# KiCad board skoosk pcb rgb.kicad_pcb
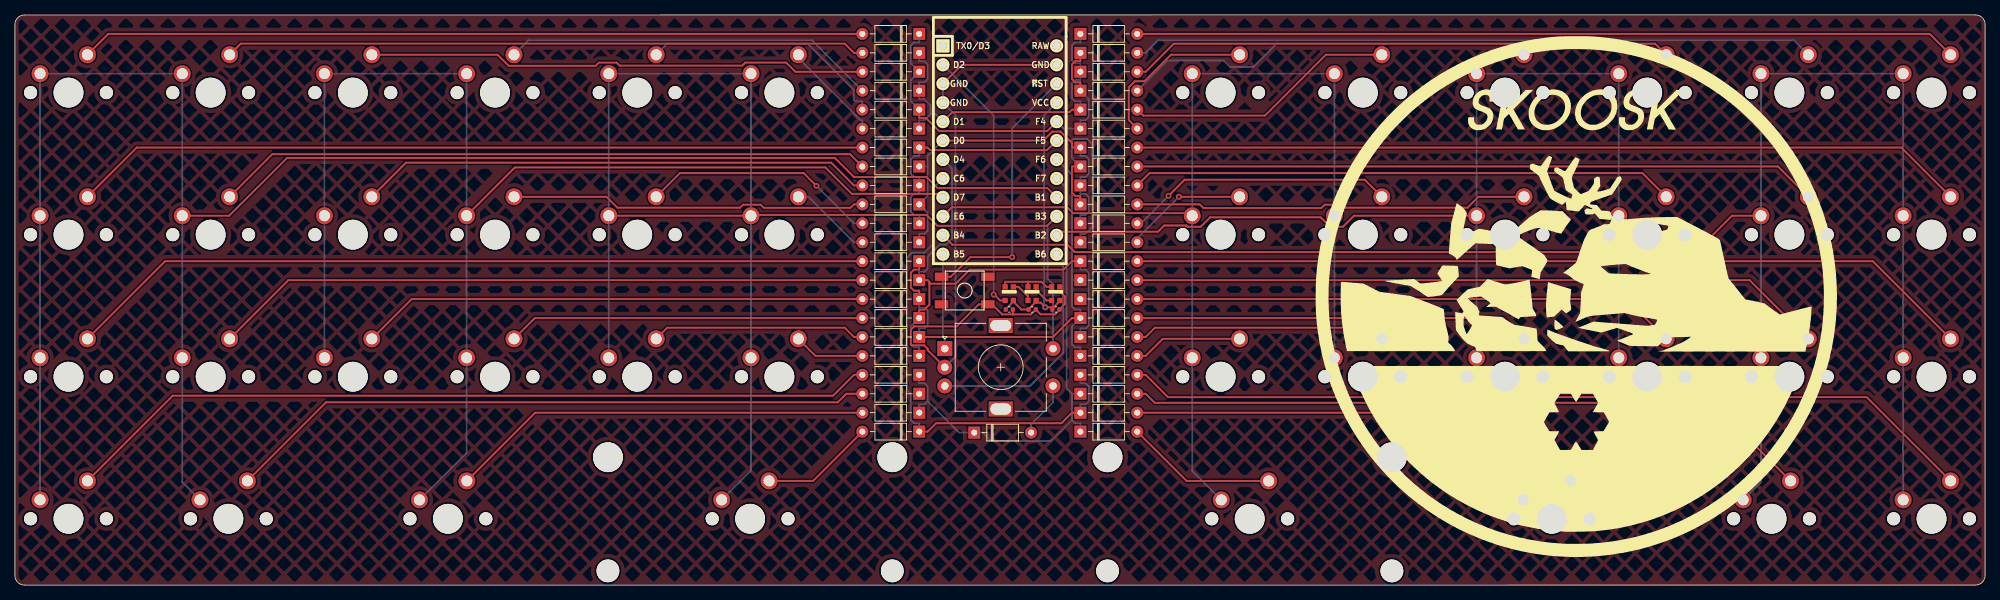
[diagram p0: board, top side]
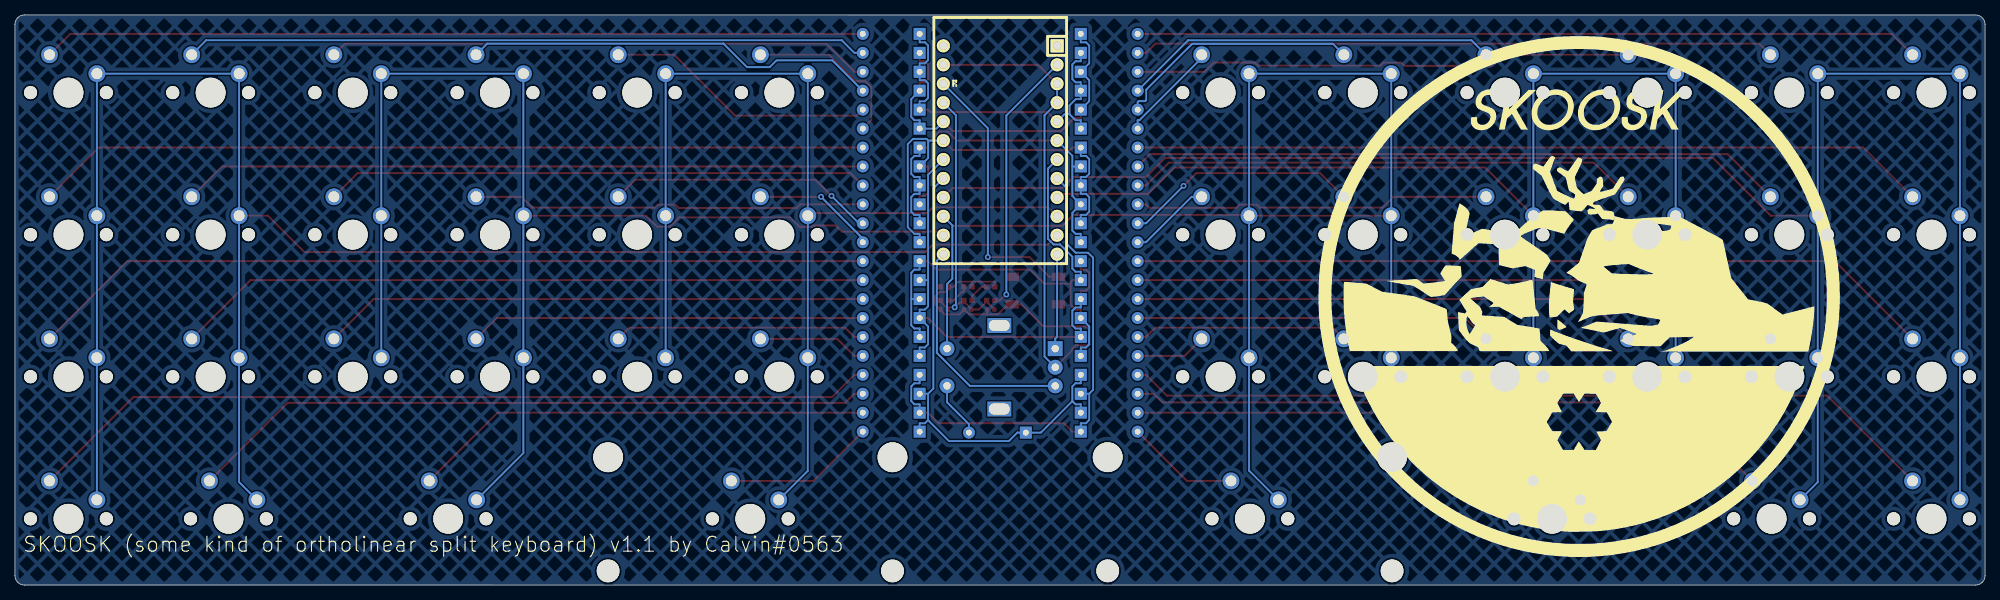
[diagram p1: board, bottom side, seen from below]

Outline 263.96 x 76.46 mm; copper layers: Top, Bottom. Coordinates in mm from the lower left corner of the outline.
Outline path: 0,75.19 0,1.27 arc(0.37,0.37) 1.27,0 262.69,0 arc(263.59,0.37) 263.96,1.27 263.96,75.19 arc(263.59,76.09) 262.69,76.46 1.27,76.46 arc(0.37,76.08) 0,75.19
Stack: Top 0.035mm / dielectric 1.51mm FR4 er 4.5 / Bottom 0.035mm

## Placement (name value [footprint] x y rotation side)
Crgb1  1uF  [C_0402_1005Metric]  133.22 36.96 0 top
Crgb2  1uF  [C_0402_1005Metric]  136.3 36.96 0 top
Crgb3  1uF  [C_0402_1005Metric]  139.47 36.96 0 top
D1  D_Small  [D_DO-35_SOD27_P7.62mm_Horizontal]  121.16 73.92 180 top
D2  D_Small  [D_DO-35_SOD27_P7.62mm_Horizontal]  121.16 71.38 180 top
D3  D_Small  [D_DO-35_SOD27_P7.62mm_Horizontal]  121.16 68.84 180 top
D4  D_Small  [D_DO-35_SOD27_P7.62mm_Horizontal]  121.16 66.3 180 top
D5  D_Small  [D_DO-35_SOD27_P7.62mm_Horizontal]  121.16 63.76 180 top
D6  D_Small  [D_DO-35_SOD27_P7.62mm_Horizontal]  121.16 61.22 180 top
D7  D_Small  [D_DO-35_SOD27_P7.62mm_Horizontal]  142.75 61.22 0 top
D8  D_Small  [D_DO-35_SOD27_P7.62mm_Horizontal]  142.75 63.76 0 top
D9  D_Small  [D_DO-35_SOD27_P7.62mm_Horizontal]  142.75 66.3 0 top
D10  D_Small  [D_DO-35_SOD27_P7.62mm_Horizontal]  142.75 68.84 0 top
D11  D_Small  [D_DO-35_SOD27_P7.62mm_Horizontal]  142.75 71.38 0 top
D12  D_Small  [D_DO-35_SOD27_P7.62mm_Horizontal]  142.75 73.92 0 top
D13  D_Small  [D_DO-35_SOD27_P7.62mm_Horizontal]  121.16 58.68 180 top
D14  D_Small  [D_DO-35_SOD27_P7.62mm_Horizontal]  121.16 56.14 180 top
D15  D_Small  [D_DO-35_SOD27_P7.62mm_Horizontal]  121.16 53.6 180 top
D16  D_Small  [D_DO-35_SOD27_P7.62mm_Horizontal]  121.16 51.06 180 top
D17  D_Small  [D_DO-35_SOD27_P7.62mm_Horizontal]  121.16 48.52 180 top
D18  D_Small  [D_DO-35_SOD27_P7.62mm_Horizontal]  121.16 45.98 180 top
D19  D_Small  [D_DO-35_SOD27_P7.62mm_Horizontal]  142.75 45.98 0 top
D20  D_Small  [D_DO-35_SOD27_P7.62mm_Horizontal]  142.75 48.52 0 top
D21  D_Small  [D_DO-35_SOD27_P7.62mm_Horizontal]  142.75 51.06 0 top
D22  D_Small  [D_DO-35_SOD27_P7.62mm_Horizontal]  142.75 53.6 0 top
D23  D_Small  [D_DO-35_SOD27_P7.62mm_Horizontal]  142.75 56.14 0 top
D24  D_Small  [D_DO-35_SOD27_P7.62mm_Horizontal]  142.75 58.68 0 top
D25  D_Small  [D_DO-35_SOD27_P7.62mm_Horizontal]  121.16 43.44 180 top
D26  D_Small  [D_DO-35_SOD27_P7.62mm_Horizontal]  121.16 40.9 180 top
D27  D_Small  [D_DO-35_SOD27_P7.62mm_Horizontal]  121.16 38.36 180 top
D28  D_Small  [D_DO-35_SOD27_P7.62mm_Horizontal]  121.16 35.82 180 top
D29  D_Small  [D_DO-35_SOD27_P7.62mm_Horizontal]  121.16 33.28 180 top
D30  D_Small  [D_DO-35_SOD27_P7.62mm_Horizontal]  121.16 30.74 180 top
D31  D_Small  [D_DO-35_SOD27_P7.62mm_Horizontal]  142.75 30.74 0 top
D32  D_Small  [D_DO-35_SOD27_P7.62mm_Horizontal]  142.75 33.28 0 top
D33  D_Small  [D_DO-35_SOD27_P7.62mm_Horizontal]  142.75 35.82 0 top
D34  D_Small  [D_DO-35_SOD27_P7.62mm_Horizontal]  142.75 38.36 0 top
D35  D_Small  [D_DO-35_SOD27_P7.62mm_Horizontal]  142.75 40.9 0 top
D36  D_Small  [D_DO-35_SOD27_P7.62mm_Horizontal]  142.75 43.44 0 top
D37  D_Small  [D_DO-35_SOD27_P7.62mm_Horizontal]  121.16 28.2 180 top
D38  D_Small  [D_DO-35_SOD27_P7.62mm_Horizontal]  121.16 25.66 180 top
D39  D_Small  [D_DO-35_SOD27_P7.62mm_Horizontal]  121.16 23.12 180 top
D40  D_Small  [D_DO-35_SOD27_P7.62mm_Horizontal]  121.16 20.58 180 top
D41  D_Small  [D_DO-35_SOD27_P7.62mm_Horizontal]  142.75 20.58 0 top
D42  D_Small  [D_DO-35_SOD27_P7.62mm_Horizontal]  142.75 23.12 0 top
D43  D_Small  [D_DO-35_SOD27_P7.62mm_Horizontal]  142.75 25.66 0 top
D44  D_Small  [D_DO-35_SOD27_P7.62mm_Horizontal]  142.75 28.2 0 top
D51  D_Small  [D_DO-35_SOD27_P7.62mm_Horizontal]  128.52 20.45 0 top
Drgb1  -  [WS2812-2020]  133.22 39.09 90 top
Drgb2  -  [WS2812-2020]  136.27 39.09 90 top
Drgb3  -  [WS2812-2020]  139.45 39.09 90 top
Gback  -  [LOGO]  54.31 38.62 180 bottom
Gfront  -  [LOGO]  209.27 38.62 0 top
MX1  MX-NoLED  [MXOnly-1U-NoLED]  7.18 66.04 0 top
MX2  MX-NoLED  [MXOnly-1U-NoLED]  26.23 66.04 0 top
MX3  MX-NoLED  [MXOnly-1U-NoLED]  45.28 66.04 0 top
MX4  MX-NoLED  [MXOnly-1U-NoLED]  64.33 66.04 0 top
MX5  MX-NoLED  [MXOnly-1U-NoLED]  83.38 66.04 0 top
MX6  MX-NoLED  [MXOnly-1U-NoLED]  102.43 66.04 0 top
MX7  MX-NoLED  [MXOnly-1U-NoLED]  161.54 66.04 0 top
MX8  MX-NoLED  [MXOnly-1U-NoLED]  180.59 66.04 0 top
MX9  MX-NoLED  [MXOnly-1U-NoLED]  199.64 66.04 0 top
MX10  MX-NoLED  [MXOnly-1U-NoLED]  218.69 66.04 0 top
MX11  MX-NoLED  [MXOnly-1U-NoLED]  237.74 66.04 0 top
MX12  MX-NoLED  [MXOnly-1U-NoLED]  256.79 66.04 0 top
MX13  MX-NoLED  [MXOnly-1U-NoLED]  7.18 46.99 0 top
MX14  MX-NoLED  [MXOnly-1U-NoLED]  26.23 46.99 0 top
MX15  MX-NoLED  [MXOnly-1U-NoLED]  45.28 46.99 0 top
MX16  MX-NoLED  [MXOnly-1U-NoLED]  64.33 46.99 0 top
MX17  MX-NoLED  [MXOnly-1U-NoLED]  83.38 46.99 0 top
MX18  MX-NoLED  [MXOnly-1U-NoLED]  102.43 46.99 0 top
MX19  MX-NoLED  [MXOnly-1U-NoLED]  161.54 46.99 0 top
MX20  MX-NoLED  [MXOnly-1U-NoLED]  180.59 46.99 0 top
MX21  MX-NoLED  [MXOnly-1U-NoLED]  199.64 46.99 0 top
MX22  MX-NoLED  [MXOnly-1U-NoLED]  218.69 46.99 0 top
MX23  MX-NoLED  [MXOnly-1U-NoLED]  237.74 46.99 0 top
MX24  MX-NoLED  [MXOnly-1U-NoLED]  256.79 46.99 0 top
MX25  MX-NoLED  [MXOnly-1U-NoLED]  7.18 27.94 0 top
MX26  MX-NoLED  [MXOnly-1U-NoLED]  26.23 27.94 0 top
MX27  MX-NoLED  [MXOnly-1U-NoLED]  45.28 27.94 0 top
MX28  MX-NoLED  [MXOnly-1U-NoLED]  64.33 27.94 0 top
MX29  MX-NoLED  [MXOnly-1U-NoLED]  83.38 27.94 0 top
MX30  MX-NoLED  [MXOnly-1U-NoLED]  102.43 27.94 0 top
MX31  MX-NoLED  [MXOnly-1U-NoLED]  161.54 27.94 0 top
MX32  MX-NoLED  [MXOnly-1U-NoLED]  180.59 27.94 0 top
MX33  MX-NoLED  [MXOnly-1U-NoLED]  199.64 27.94 0 top
MX34  MX-NoLED  [MXOnly-1U-NoLED]  218.69 27.94 0 top
MX35  MX-NoLED  [MXOnly-1U-NoLED]  237.74 27.94 0 top
MX36  MX-NoLED  [MXOnly-1U-NoLED]  256.79 27.94 0 top
MX37  MX-NoLED  [MXOnly-1U-NoLED]  7.18 8.89 0 top
MX38  MX-NoLED  [MXOnly-1.25U-NoLED]  28.6 8.89 0 top
MX39  MX-NoLED  [MXOnly-1.25U-NoLED]  58.01 8.89 0 top
MX40  MX-NoLED  [MXOnly-3U-ReversedStabilizers-NoLED]  98.5 8.89 0 top
MX41  MX-NoLED  [MXOnly-3U-ReversedStabilizers-NoLED]  165.44 8.89 0 top
MX42  MX-NoLED  [MXOnly-1.25U-NoLED]  205.92 8.89 0 top
MX43  MX-NoLED  [MXOnly-1.25U-NoLED]  235.36 8.89 0 top
MX44  MX-NoLED  [MXOnly-1U-NoLED]  256.79 8.89 0 top
SW1  SW_Push  [SKQG-1155865]  127.25 39.5 0 top
SW2  RotaryEncoder_Switch  [RotaryEncoder_Alps_EC11E-Switch_Vertical_H20mm]  132.08 29.21 0 top
U1  ProMicro  [ArduinoProMicro]  131.95 58.34 270 top

## Library data of the parts
D1-D44 D51 = -: Field4: K

## Footprints (pads in the part's own frame, mm; a bottom-side part is the same pattern mirrored in y, then rotated)
ArduinoProMicro
  rect 1.753x1.753 hole 1.092: 1(-13.97,-7.62)
  round 1.753 hole 1.092: 2(-11.43,-7.62) 3(-8.89,-7.62) 4(-6.35,-7.62) 5(-3.81,-7.62) 6(-1.27,-7.62) 7(1.27,-7.62) 8(3.81,-7.62) 9(6.35,-7.62) 10(8.89,-7.62) 11(11.43,-7.62) 12(13.97,-7.62) 13(13.97,7.62) 14(11.43,7.62) 15(8.89,7.62) 16(6.35,7.62) 17(3.81,7.62) 18(1.27,7.62) 19(-1.27,7.62) 20(-3.81,7.62) 21(-6.35,7.62) 22(-8.89,7.62) 23(-11.43,7.62) 24(-13.97,7.62)
C_0402_1005Metric
  rrect 0.56x0.62 smd: 1(-0.48,0) 2(0.48,0)
D_DO-35_SOD27_P7.62mm_Horizontal
  rect 1.6x1.6 hole 0.8: 1(0,0)
  oval 1.6x1.6 hole 0.8: 2(7.62,0)
MXOnly-1.25U-NoLED
  round 1.75 hole 1.75 unplated: (-5.08,0) (5.08,0)
  round 3.988 hole 3.988 unplated: (0,0)
  round 2.25 hole 1.47: 1(-3.81,2.54) 2(2.54,5.08)
MXOnly-1U-NoLED
  round 1.75 hole 1.75 unplated: (-5.08,0) (5.08,0)
  round 3.988 hole 3.988 unplated: (0,0)
  round 2.25 hole 1.47: 1(-3.81,2.54) 2(2.54,5.08)
MXOnly-3U-ReversedStabilizers-NoLED
  round 3.988 hole 3.988 unplated: (-19.05,8.255) (0,0) (19.05,8.255)
  round 3.048 hole 3.048 unplated: (-19.05,-6.985) (19.05,-6.985)
  round 1.75 hole 1.75 unplated: (-5.08,0) (5.08,0)
  round 2.25 hole 1.47: 1(-3.81,2.54) 2(2.54,5.08)
RotaryEncoder_Alps_EC11E-Switch_Vertical_H20mm
  rect 2x2 hole 1: A(-7.5,2.5)
  round 2 hole 1: B(-7.5,-2.5) C(-7.5,0) S1(7,-2.5) S2(7,2.5)
  rect 3.2x2 hole 2.8x1.5: MP(0,5.6) MP(0,-5.6)
SKQG-1155865
  rect 1.8x1.1 smd: 1(3.1,-1.85) 2(-3.1,1.85) 3(3.1,1.85) 4(-3.1,-1.85)
WS2812-2020
  rect 0.7x0.7 smd: 1(0.915,-0.55) 2(0.915,0.55) 3(-0.915,0.55) 4(-0.915,-0.55)

## Nets
GND: Crgb1.2 Crgb2.2 Crgb3.2 Drgb1.2 Drgb2.2 Drgb3.2 SW1.1 SW2.C U1.3 U1.4 U1.23
VCC: Crgb1.1 Crgb2.1 Crgb3.1 Drgb1.4 Drgb2.4 Drgb3.4 U1.21
COL0: MX1.1 MX2.1 MX13.1 MX14.1 MX25.1 MX26.1 MX37.1 MX38.1 U1.16
COL1: MX3.1 MX4.1 MX15.1 MX16.1 MX27.1 MX28.1 MX39.1 U1.9
COL2: MX5.1 MX6.1 MX17.1 MX18.1 MX29.1 MX30.1 MX40.1 SW2.S2 U1.15
COL3: MX7.1 MX8.1 MX19.1 MX20.1 MX31.1 MX32.1 MX41.1 U1.10
COL4: MX9.1 MX10.1 MX21.1 MX22.1 MX33.1 MX34.1 MX42.1 U1.14
COL5: MX11.1 MX12.1 MX23.1 MX24.1 MX35.1 MX36.1 MX43.1 MX44.1 U1.11
rgb pin: Drgb1.3 U1.2
rotary_a: SW2.A U1.12
rotary_b: SW2.B U1.13
ROW0: D1.1 D3.1 D5.1 D7.1 D9.1 D11.1 U1.20
ROW1: D2.1 D4.1 D6.1 D8.1 D10.1 D12.1 U1.5
ROW2: D13.1 D15.1 D17.1 D19.1 D21.1 D23.1 U1.19
ROW3: D14.1 D16.1 D18.1 D20.1 D22.1 D24.1 U1.6
ROW4: D25.1 D27.1 D29.1 D31.1 D33.1 D35.1 U1.18
ROW5: D26.1 D28.1 D30.1 D32.1 D34.1 D36.1 U1.7
ROW6: D37.1 D39.1 D41.1 D43.1 D51.1 U1.17
ROW7: D38.1 D40.1 D42.1 D44.1 U1.8
Net-(D1-Pad2): D1.2 MX1.2
Net-(D2-Pad2): D2.2 MX2.2
Net-(D3-Pad2): D3.2 MX3.2
Net-(D4-Pad2): D4.2 MX4.2
Net-(D5-Pad2): D5.2 MX5.2
Net-(D6-Pad2): D6.2 MX6.2
Net-(D7-Pad2): D7.2 MX7.2
Net-(D8-Pad2): D8.2 MX8.2
Net-(D9-Pad2): D9.2 MX9.2
Net-(D10-Pad2): D10.2 MX10.2
Net-(D11-Pad2): D11.2 MX11.2
Net-(D12-Pad2): D12.2 MX12.2
Net-(D13-Pad2): D13.2 MX13.2
Net-(D14-Pad2): D14.2 MX14.2
Net-(D15-Pad2): D15.2 MX15.2
Net-(D16-Pad2): D16.2 MX16.2
Net-(D17-Pad2): D17.2 MX17.2
Net-(D18-Pad2): D18.2 MX18.2
Net-(D19-Pad2): D19.2 MX19.2
Net-(D20-Pad2): D20.2 MX20.2
Net-(D21-Pad2): D21.2 MX21.2
Net-(D22-Pad2): D22.2 MX22.2
Net-(D23-Pad2): D23.2 MX23.2
Net-(D24-Pad2): D24.2 MX24.2
Net-(D25-Pad2): D25.2 MX25.2
Net-(D26-Pad2): D26.2 MX26.2
Net-(D27-Pad2): D27.2 MX27.2
Net-(D28-Pad2): D28.2 MX28.2
Net-(D29-Pad2): D29.2 MX29.2
Net-(D30-Pad2): D30.2 MX30.2
Net-(D31-Pad2): D31.2 MX31.2
Net-(D32-Pad2): D32.2 MX32.2
Net-(D33-Pad2): D33.2 MX33.2
Net-(D34-Pad2): D34.2 MX34.2
Net-(D35-Pad2): D35.2 MX35.2
Net-(D36-Pad2): D36.2 MX36.2
Net-(D37-Pad2): D37.2 MX37.2
Net-(D38-Pad2): D38.2 MX38.2
Net-(D39-Pad2): D39.2 MX39.2
Net-(D40-Pad2): D40.2 MX40.2
Net-(D41-Pad2): D41.2 MX41.2
Net-(D42-Pad2): D42.2 MX42.2
Net-(D43-Pad2): D43.2 MX43.2
Net-(D44-Pad2): D44.2 MX44.2
Net-(D51-Pad2): D51.2 SW2.S1
Net-(Drgb1-Pad1): Drgb1.1 Drgb2.3
Net-(Drgb2-Pad1): Drgb2.1 Drgb3.3
Net-(SW1-Pad2): SW1.2 U1.22

Pads without a net: Drgb3 1; SW1 3 4; SW2 MP; U1 1 24

## Via types
v1: diameter 0.8, hole 0.4, Top to Bottom, 6 vias

## Routing (per net, layer and track width the routed paths; a pad name or vN(x,y) marks a point on that pad's centre or on a via; arc(x,y) is an arc through that point)
GND: length 99.5
  Top w0.254: Drgb2.2 135.72,40.68 ; 135.72,40.68 137.54,40.68 138.22,40 138.56,40 ; 135.72,40.68 132.67,40.68 Drgb1.2 ; 136.78,36.95 136.13,36.3 133.72,36.3 133.7,36.32 ; 136.78,36.95 Crgb2.2 ; 136.78,36.95 137.42,36.31 139.39,36.31 139.95,36.88 Crgb3.2 140.67,37.68 140.67,38.7 140.04,39.32 139.23,39.32 138.56,40 ; U1.23 126.87,69.77 U1.3 ; 133.7,36.32 133.68,36.3 132.28,36.3 130.93,37.65 SW1.1 129.13,37.65 126.17,34.69 120.46,34.69 120.03,34.26 120.03,32.28 120.16,32.15 121.83,32.15 122.29,31.69 122.29,31.51 SW2.C ; 133.7,36.32 Crgb1.2 ; 138.56,40 Drgb3.2
  Bottom w0.254: SW2.C 126.01,30.65 126.01,63.01 U1.4 U1.3
VCC: length 38.2
  Top w0.254: Drgb3.4 140,38.09 139.15,37.25 138.99,37.25 ; 133.77,38.02 133.77,38.17 ; 133.77,38.02 132.74,36.99 Crgb1.1 ; 133.77,38.02 134.83,36.96 Crgb2.1 135.82,37.02 136.67,37.87 136.82,37.87 ; 138.99,37.25 Crgb3.1 ; 138.99,37.25 v1(138.06,37.25) 137.43,37.87 136.82,37.87 ; 136.82,37.87 136.82,38.17
  Bottom w0.254: v1(138.06,37.25) 137.89,37.41 137.89,63.01 U1.21
COL0: length 256.9
  Top w0.254: MX14.1 28.7,49.53 36.45,57.28 109.86,57.28 112.41,54.72 122.14,54.72 123.6,53.26 138.3,53.26 U1.16
  Bottom w0.254: MX37.1 MX25.1 MX13.1 MX1.1 MX2.1 MX14.1 MX26.1 22.42,13.81 MX38.1
COL1: length 185.5
  Top w0.254: U1.9 123.85,52.47 112.13,52.47 108.59,56.01 66.99,56.01 MX16.1
  Bottom w0.254: 60.05,30.48 MX28.1 ; MX28.1 MX16.1 MX4.1 MX3.1 MX15.1 MX27.1 ; MX28.1 60.52,17.74 MX39.1
COL2: length 195.6
  Top w0.254: MX17.1 MX18.1 98.73,49.64 122.14,49.64 123.6,48.18 138.3,48.18 U1.15
  Bottom w0.254: SW2.S2 139.08,40.37 138.36,41.09 138.36,48.24 U1.15 ; MX40.1 98.62,15.36 MX30.1 MX18.1 MX6.1 MX5.1 MX17.1 MX29.1
COL3: length 150.3
  Top w0.254: U1.10 125.55,50.67 140.98,50.67 141.77,49.88 157.39,49.88 MX19.1
  Bottom w0.254: MX41.1 157.73,15.32 MX31.1 MX19.1 MX7.1 MX8.1 MX20.1 MX32.1
COL4: length 175.4
  Top w0.254: U1.14 140.05,47.39 153.14,47.39 153.97,48.22 156.99,48.22 157.16,48.05 158.87,48.05 160.14,49.31 174.95,49.31 176.2,48.06 177.93,48.06 179.4,49.53 MX21.1
  Bottom w0.254: MX42.1 195.83,17.71 MX33.1 MX21.1 MX9.1 MX10.1 MX22.1 MX34.1
COL5: length 246.9
  Top w0.254: MX23.1 230.05,49.53 225.18,44.66 141.99,44.66 141.01,45.64 125.6,45.64 U1.11
  Bottom w0.254: MX44.1 MX36.1 MX24.1 MX12.1 MX11.1 MX23.1 MX35.1 233.93,13.82 MX43.1
rgb pin: length 35.5
  Top w0.254: Drgb1.3 132,38.17 131.2,38.97 v1(131.13,38.97)
  Bottom w0.254: v1(131.13,38.97) 131.13,62.97 U1.2
rotary_a: length 12.8
  Bottom w0.254: U1.12 124.33,33.29 124.58,33.04 SW2.A
rotary_b: length 31.3
  Bottom w0.254: U1.13 140.45,43.5 140.45,31.15 136.01,26.71 SW2.B
ROW0: length 50.1
  Top w0.254: D5.1 121.16,62.63 122.07,62.63 123.82,60.88 138.3,60.88 U1.20 ; D9.1 142.75,67.42 142.04,67.42 141.62,67.85 141.62,69.83 142.04,70.25 142.75,70.25 D11.1
  Bottom w0.254: D9.1 143.88,65.17 143.88,62.77 143.45,62.34 142.75,62.34 D7.1 140.51,61.22 U1.20 ; D1.1 121.16,72.79 120.45,72.79 120.03,72.37 120.03,69.96 D3.1 120.03,67.71 120.03,64.88 D5.1
ROW1: length 48.8
  Top w0.254: D8.1 141.62,63.76 141.29,63.42 125.6,63.42 U1.5
  Bottom w0.254: 122.67,63.15 122.67,64.33 121.83,65.17 121.16,65.17 D4.1 121.16,67.42 121.86,67.42 122.29,67.85 122.29,69.83 121.86,70.25 121.16,70.25 D2.1 ; 122.67,63.15 123.33,63.15 U1.5 ; 122.67,63.15 121.86,62.34 121.16,62.34 D6.1 ; D12.1 142.75,72.79 142.04,72.79 141.62,72.37 141.62,70.39 142.04,69.96 142.75,69.96 D10.1 142.75,67.71 142.04,67.71 141.62,67.29 141.62,65.31 142.04,64.88 142.75,64.88 D8.1
ROW2: length 63.2
  Top w0.254: D21.1 142.75,52.18 142.04,52.18 141.62,52.61 141.62,56.14 D23.1 ; U1.19 138.3,58.34 122.62,58.34 122.29,58.68 D13.1
  Bottom w0.254: D19.1 142.75,47.1 143.45,47.1 144.34,47.99 144.34,59.15 143.65,59.83 141.83,59.83 141.6,59.61 ; 141.6,59.61 141.6,57.28 D23.1 ; 141.6,59.61 U1.19 ; D17.1 121.16,49.64 120.45,49.64 120.03,50.07 120.03,52.05 120.45,52.47 121.16,52.47 D15.1 121.16,54.72 120.45,54.72 120.03,55.15 120.03,57.13 120.45,57.55 121.16,57.55 D13.1
ROW3: length 51.3
  Top w0.254: U1.6 137.77,59.61 138.98,60.82 140.1,60.82 141.62,59.29 141.62,58.68 D24.1
  Bottom w0.254: D24.1 142.75,57.55 143.45,57.55 143.88,57.13 143.88,55.15 143.45,54.72 142.75,54.72 D22.1 142.75,52.47 143.45,52.47 143.88,52.05 143.88,50.07 143.45,49.64 142.75,49.64 D20.1 ; D18.1 121.16,47.1 121.86,47.1 122.29,47.53 122.29,49.93 D16.1 122.29,52.18 122.29,56.14 ; 122.29,56.14 122.29,57.56 U1.6 ; 122.29,56.14 D14.1
ROW4: length 66.9
  Top w0.254: D29.1 139.08,33.28 141.62,35.82 D33.1 ; D27.1 121.16,39.48 120.45,39.48 120.03,39.91 120.03,41.89 120.45,42.31 121.16,42.31 D25.1
  Bottom w0.254: 141.62,40.9 141.62,55.02 U1.18 ; 141.62,40.9 D35.1 ; 141.62,40.9 141.62,37.37 142.04,36.94 142.75,36.94 D33.1 141.62,34.69 141.62,32.29 142.04,31.86 142.75,31.86 D31.1 ; D29.1 121.16,34.4 121.86,34.4 122.29,34.83 122.29,36.81 121.86,37.23 121.16,37.23 D27.1
ROW5: length 67.7
  Top w0.254: 122.52,40.42 126.05,40.42 127.94,42.31 140.49,42.31 141.62,43.44 D36.1 ; 122.52,40.42 122.52,40.66 122.29,40.9 D26.1 ; 122.52,40.42 122.52,37.6 121.86,36.94 121.16,36.94 D28.1
  Bottom w0.254: D32.1 142.75,34.4 143.45,34.4 143.88,34.83 143.88,38.36 ; D36.1 142.75,42.31 143.45,42.31 143.88,41.89 143.88,38.36 ; D30.1 121.16,31.86 120.45,31.86 120.03,32.29 120.03,34.69 D28.1 ; D26.1 121.16,42.02 121.86,42.02 122.29,42.45 122.29,44.03 123.93,45.68 124.8,45.68 125.55,46.43 125.55,55.85 U1.7 ; D34.1 143.88,38.36
ROW6: length 66.4
  Bottom w0.254: 141.62,22.13 141.62,25.66 ; 141.62,22.13 138.81,19.31 130.79,19.31 129.65,20.45 D51.1 126.5,20.45 122.29,24.67 ; 141.62,22.13 142.04,21.7 142.75,21.7 D41.1 ; 141.62,25.66 D43.1 ; 141.62,25.66 140.91,26.37 140.91,53.19 U1.17 ; D37.1 121.16,27.07 121.86,27.07 122.29,26.65 122.29,24.67 ; 122.29,24.67 121.86,24.24 121.16,24.24 D39.1
ROW7: length 68.6
  Top w0.254: D40.1 122.29,20.58 123.41,21.7 140.21,21.7 141.62,23.12 D42.1
  Bottom w0.254: D38.1 120.03,25.66 ; 120.03,25.66 120.03,22.13 120.45,21.7 121.16,21.7 D40.1 ; 120.03,25.66 119.52,26.17 119.52,43.92 120.16,44.56 121.84,44.56 123,45.72 123,53.19 U1.8 ; D44.1 142.75,27.07 143.45,27.07 143.88,26.65 143.88,24.67 143.45,24.24 142.75,24.24 D42.1
Net-(D1-Pad2): length 105
  Top w0.254: D1.2 12.51,73.92 MX1.2
Net-(D2-Pad2): length 85.9
  Top w0.254: D2.2 112.41,71.38 111.17,72.61 30.26,72.61 MX2.2
Net-(D3-Pad2): length 67.4
  Top w0.254: D3.2 104.56,68.84 103.33,70.07 97.85,70.07 97.44,69.67 81.02,69.67 80.62,70.07 78.24,70.07 77.81,69.63 66.15,69.63 64.66,71.12 MX3.2
Net-(D4-Pad2): length 50.3
  Bottom w0.254: MX4.2 68.81,73.07 106.77,73.07 D4.2
Net-(D5-Pad2): length 33.3
  Bottom w0.254: MX5.2 87.38,72.59 106.23,72.59 112.4,66.42 112.4,65.03 112.52,64.9 113.41,64.9 113.54,64.77 D5.2
Net-(D6-Pad2): length 13.6
  Bottom w0.254: MX6.2 104.97,70.68 113.3,62.34 113.54,62.34 D6.2
Net-(D7-Pad2): length 22.7
  Top w0.254: D7.2 149.23,62.35 149.23,66.76 150.04,67.57 151.34,67.57 154.89,71.12 MX7.2
Net-(D8-Pad2): length 36.5
  Top w0.254: MX8.2 175.64,71.12 167.48,62.96 151.17,62.96 D8.2
Net-(D9-Pad2): length 55.8
  Bottom w0.254: D9.2 154.43,70.36 161.93,70.36 162.82,69.46 165.89,69.46 169.04,72.62 200.69,72.62 MX9.2
Net-(D10-Pad2): length 73
  Top w0.254: D10.2 151.5,68.84 155.26,72.6 219.75,72.6 MX10.2
Net-(D11-Pad2): length 91.4
  Bottom w0.254: D11.2 151.5,71.38 153.19,73.07 238.33,73.07 MX11.2
Net-(D12-Pad2): length 110.1
  Top w0.254: D12.2 256.54,73.92 MX12.2
Net-(D13-Pad2): length 106.6
  Top w0.254: MX13.2 16.32,58.68 D13.2
Net-(D14-Pad2): length 88.1
  Top w0.254: 111.25,57.79 34.48,57.79 MX14.2 ; 111.25,57.79 111.89,57.79 D14.2 ; 111.25,57.79 111.51,57.79
Net-(D15-Pad2): length 68.9
  Top w0.254: MX15.2 52.39,56.64 109.36,56.64 112.41,53.6 D15.2
Net-(D16-Pad2): length 47.8
  Top w0.254: MX16.2 79.26,52.07 80.71,50.62 97.16,50.62 97.56,51.01 99.91,51.01 100.32,50.6 111.95,50.6 112.41,51.06 D16.2
Net-(D17-Pad2): length 31.7
  Top w0.254: v1(107.39,53.54) 105.68,55.25 89.09,55.25 MX17.2
  Bottom w0.254: v1(107.39,53.54) 112.41,48.52 D17.2
Net-(D18-Pad2): length 11.1
  Bottom w0.254: MX18.2 106.31,52.07 112.41,45.98 D18.2
Net-(D19-Pad2): length 16.5
  Top w0.254: MX19.2 v1(155.96,52.07)
  Bottom w0.254: D19.2 150.37,46.48 v1(155.96,52.07)
Net-(D20-Pad2): length 36.1
  Top w0.254: v1(154.56,52.2) 156.72,54.36 180.85,54.36 MX20.2
  Bottom w0.254: v1(154.56,52.2) 150.88,48.52 D20.2
Net-(D21-Pad2): length 53
  Top w0.254: D21.2 158.75,51.06 159.24,50.57 175.05,50.57 175.49,51.01 177.84,51.01 178.24,50.62 194.63,50.62 196.08,52.07 MX21.2
Net-(D22-Pad2): length 72.9
  Top w0.254: MX22.2 218.06,55.25 152.02,55.25 D22.2
Net-(D23-Pad2): length 91.6
  Top w0.254: D23.2 236.22,56.14 MX23.2
Net-(D24-Pad2): length 111.7
  Top w0.254: D24.2 252.73,58.68 MX24.2
Net-(D25-Pad2): length 108.1
  Top w0.254: D25.2 20.13,43.44 MX25.2
Net-(D26-Pad2): length 88
  Top w0.254: MX26.2 36.64,40.9 D26.2
Net-(D27-Pad2): length 67.9
  Top w0.254: MX27.2 53.15,38.36 D27.2
Net-(D28-Pad2): length 47.8
  Top w0.254: MX28.2 69.66,35.82 D28.2
Net-(D29-Pad2): length 28.8
  Top w0.254: MX29.2 87.41,34.51 111.17,34.51 112.41,33.28 D29.2
Net-(D30-Pad2): length 9.5
  Top w0.254: MX30.2 107.25,30.74 D30.2
Net-(D31-Pad2): length 14.7
  Top w0.254: MX31.2 153.78,33.02 151.5,30.74 D31.2
Net-(D32-Pad2): length 33.9
  Top w0.254: MX32.2 181.64,34.51 152.73,34.51 151.5,33.28 D32.2
Net-(D33-Pad2): length 53
  Top w0.254: MX33.2 199.39,35.82 D33.2
Net-(D34-Pad2): length 73.1
  Top w0.254: D34.2 215.9,38.36 MX34.2
Net-(D35-Pad2): length 93.2
  Top w0.254: D35.2 232.41,40.9 MX35.2
Net-(D36-Pad2): length 113.3
  Top w0.254: MX36.2 248.92,43.44 D36.2
Net-(D37-Pad2): length 109.7
  Top w0.254: D37.2 112.41,28.2 109.62,25.4 21.15,25.4 MX37.2
Net-(D38-Pad2): length 87.2
  Top w0.254: D38.2 111.38,25.66 110.24,24.51 41.68,24.51 MX38.2
Net-(D39-Pad2): length 56.8
  Top w0.254: D39.2 69.7,23.12 MX39.2
Net-(D40-Pad2): length 15.2
  Top w0.254: D40.2 106.93,13.97 MX40.2
Net-(D41-Pad2): length 20.3
  Top w0.254: MX41.2 156.98,13.97 D41.2
Net-(D42-Pad2): length 61.9
  Top w0.254: D42.2 199.31,23.12 MX42.2
Net-(D43-Pad2): length 92.4
  Top w0.254: D43.2 151.5,25.66 152.71,24.44 227.43,24.44 MX43.2
Net-(D44-Pad2): length 114.9
  Top w0.254: MX44.2 248.1,25.2 154.49,25.2 151.5,28.2 D44.2
Net-(D51-Pad2): length 7.5
  Bottom w0.254: D51.2 136.14,21.58 139.08,24.51 SW2.S1
Net-(Drgb1-Pad1): length 3.1
  Top w0.254: Drgb2.3 135.72,38.85 135.6,38.85 134.45,40 133.77,40
Net-(Drgb2-Pad1): length 3.2
  Top w0.254: 136.82,40 136.82,39.32 137.07,39.32 138.22,38.17 Drgb3.3
Net-(SW1-Pad2): length 36.3
  Top w0.254: v1(133.61,43.98) 128.01,43.98 125.38,41.35 SW1.2
  Bottom w0.254: U1.22 133.61,61.27 v1(133.61,43.98)

## Copper pours and planes (outline as drawn; the poured copper is in the pictures)
(no net) on Top, Bottom: 272.92,-2.03 -8.89,-2.03 -8.76,76.71 272.8,76.58

## Text on the board
B.Silkscreen: SKOOSK (some kind of ortholinear split keyboard) v1.1 by Calvin#0563
